# KiCad board SparkFun_GNSS_ZED-X20P_panelized.kicad_pcb (continued)
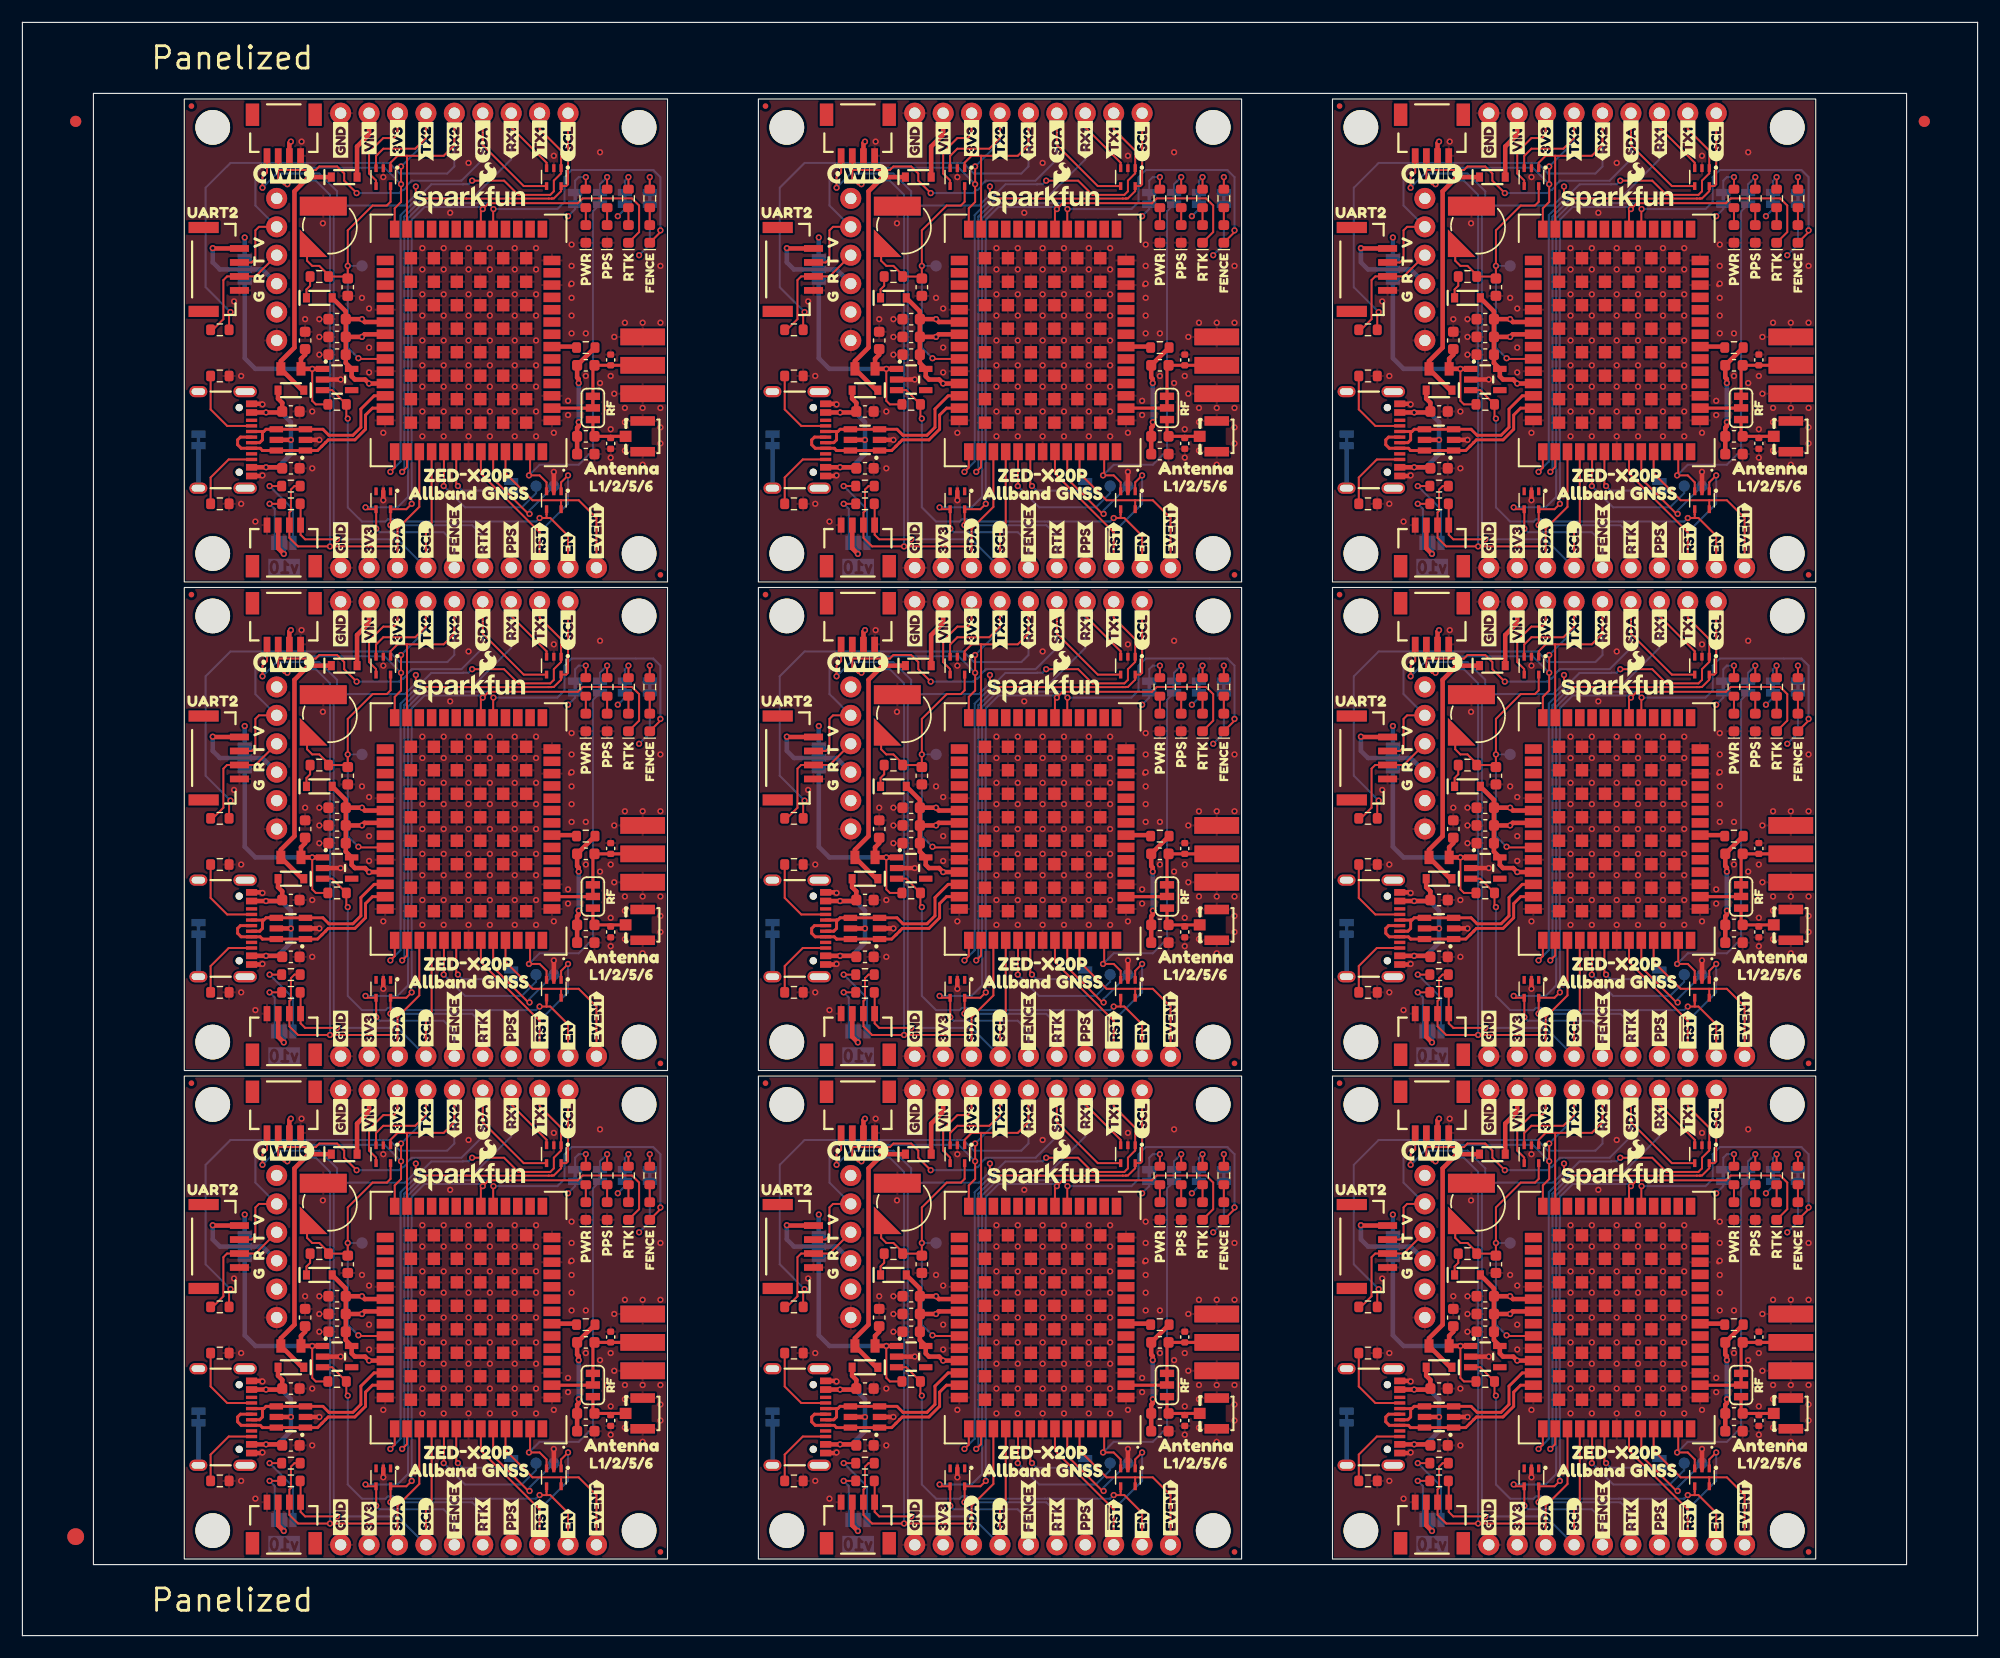
[diagram p0: board, top side]
## Placement (name value [footprint] x y rotation side) (continued)
kibuzzard-680A9725#5  G***  [kibuzzard-680A9725]  53.84 81.96 270 bottom
kibuzzard-680A9725#6  G***  [kibuzzard-680A9725]  105.14 81.96 270 bottom
kibuzzard-680A9725#7  G***  [kibuzzard-680A9725]  105.14 125.64 270 bottom
kibuzzard-680A9725#8  G***  [kibuzzard-680A9725]  156.44 125.64 270 bottom
kibuzzard-680A9725#9  G***  [kibuzzard-680A9725]  156.44 81.96 270 bottom
kibuzzard-6501FDDA  G***  [kibuzzard-6501FDDA]  27.81 78.47 270 bottom
kibuzzard-6501FDDA#2  G***  [kibuzzard-6501FDDA]  130.41 34.79 270 bottom
kibuzzard-6501FDDA#3  G***  [kibuzzard-6501FDDA]  27.81 122.15 270 bottom
kibuzzard-6501FDDA#4  G***  [kibuzzard-6501FDDA]  79.1 34.79 270 bottom
kibuzzard-6501FDDA#5  G***  [kibuzzard-6501FDDA]  79.1 78.47 270 bottom
kibuzzard-6501FDDA#6  G***  [kibuzzard-6501FDDA]  79.1 122.15 270 bottom
kibuzzard-6501FDDA#7  G***  [kibuzzard-6501FDDA]  130.41 78.47 270 bottom
kibuzzard-6501FDDA#8  G***  [kibuzzard-6501FDDA]  130.41 122.15 270 bottom
kibuzzard-6501FDDA#9  G***  [kibuzzard-6501FDDA]  27.81 34.79 270 bottom
kibuzzard-6797CE3B  G***  [kibuzzard-6797CE3B]  28.44 46.38 90 top
kibuzzard-6797CE3B#2  G***  [kibuzzard-6797CE3B]  28.44 90.06 90 top
kibuzzard-6797CE3B#3  G***  [kibuzzard-6797CE3B]  79.74 133.74 90 top
kibuzzard-6797CE3B#4  G***  [kibuzzard-6797CE3B]  131.04 90.06 90 top
kibuzzard-6797CE3B#5  G***  [kibuzzard-6797CE3B]  79.74 46.38 90 top
kibuzzard-6797CE3B#6  G***  [kibuzzard-6797CE3B]  131.04 133.74 90 top
kibuzzard-6797CE3B#7  G***  [kibuzzard-6797CE3B]  131.04 46.38 90 top
kibuzzard-6797CE3B#8  G***  [kibuzzard-6797CE3B]  28.44 133.74 90 top
kibuzzard-6797CE3B#9  G***  [kibuzzard-6797CE3B]  79.74 90.06 90 top
kibuzzard-6797CE4B  G***  [kibuzzard-6797CE4B]  38.6 46.22 90 top
kibuzzard-6797CE4B#2  G***  [kibuzzard-6797CE4B]  38.6 89.9 90 top
kibuzzard-6797CE4B#3  G***  [kibuzzard-6797CE4B]  141.2 133.58 90 top
kibuzzard-6797CE4B#4  G***  [kibuzzard-6797CE4B]  38.6 133.58 90 top
kibuzzard-6797CE4B#5  G***  [kibuzzard-6797CE4B]  89.9 89.9 90 top
kibuzzard-6797CE4B#6  G***  [kibuzzard-6797CE4B]  89.9 46.22 90 top
kibuzzard-6797CE4B#7  G***  [kibuzzard-6797CE4B]  141.2 89.9 90 top
kibuzzard-6797CE4B#8  G***  [kibuzzard-6797CE4B]  141.2 46.22 90 top
kibuzzard-6797CE4B#9  G***  [kibuzzard-6797CE4B]  89.9 133.58 90 top
kibuzzard-6797CE48  G***  [kibuzzard-6797CE48]  36.06 46.22 90 top
kibuzzard-6797CE48#2  G***  [kibuzzard-6797CE48]  36.06 133.58 90 top
kibuzzard-6797CE48#3  G***  [kibuzzard-6797CE48]  87.36 89.9 90 top
kibuzzard-6797CE48#4  G***  [kibuzzard-6797CE48]  36.06 89.9 90 top
kibuzzard-6797CE48#5  G***  [kibuzzard-6797CE48]  87.36 46.22 90 top
kibuzzard-6797CE48#6  G***  [kibuzzard-6797CE48]  138.66 89.9 90 top
kibuzzard-6797CE48#7  G***  [kibuzzard-6797CE48]  138.66 46.22 90 top
kibuzzard-6797CE48#8  G***  [kibuzzard-6797CE48]  87.36 133.58 90 top
kibuzzard-6797CE48#9  G***  [kibuzzard-6797CE48]  138.66 133.58 90 top
kibuzzard-6797CF40  G***  [kibuzzard-6797CF40]  21.14 78.47 90 top
kibuzzard-6797CF40#2  G***  [kibuzzard-6797CF40]  72.44 122.15 90 top
kibuzzard-6797CF40#3  G***  [kibuzzard-6797CF40]  21.14 122.15 90 top
kibuzzard-6797CF40#4  G***  [kibuzzard-6797CF40]  72.44 34.79 90 top
kibuzzard-6797CF40#5  G***  [kibuzzard-6797CF40]  72.44 78.47 90 top
kibuzzard-6797CF40#6  G***  [kibuzzard-6797CF40]  123.74 34.79 90 top
kibuzzard-6797CF40#7  G***  [kibuzzard-6797CF40]  123.74 78.47 90 top
kibuzzard-6797CF40#8  G***  [kibuzzard-6797CF40]  123.74 122.15 90 top
kibuzzard-6797CF40#9  G***  [kibuzzard-6797CF40]  21.14 34.79 90 top
kibuzzard-6797CFD5  G***  [kibuzzard-6797CFD5]  41.14 10.66 90 top
kibuzzard-6797CFD5#2  G***  [kibuzzard-6797CFD5]  41.14 54.34 90 top
kibuzzard-6797CFD5#3  G***  [kibuzzard-6797CFD5]  92.44 54.34 90 top
kibuzzard-6797CFD5#4  G***  [kibuzzard-6797CFD5]  41.14 98.02 90 top
kibuzzard-6797CFD5#5  G***  [kibuzzard-6797CFD5]  92.44 10.66 90 top
kibuzzard-6797CFD5#6  G***  [kibuzzard-6797CFD5]  92.44 98.02 90 top
kibuzzard-6797CFD5#7  G***  [kibuzzard-6797CFD5]  143.74 98.02 90 top
kibuzzard-6797CFD5#8  G***  [kibuzzard-6797CFD5]  143.74 10.66 90 top
kibuzzard-6797CFD5#9  G***  [kibuzzard-6797CFD5]  143.74 54.34 90 top
kibuzzard-6797CFD9  G***  [kibuzzard-6797CFD9]  43.68 10.66 90 top
kibuzzard-6797CFD9#2  G***  [kibuzzard-6797CFD9]  43.68 98.02 90 top
kibuzzard-6797CFD9#3  G***  [kibuzzard-6797CFD9]  94.98 98.02 90 top
kibuzzard-6797CFD9#4  G***  [kibuzzard-6797CFD9]  146.28 54.34 90 top
kibuzzard-6797CFD9#5  G***  [kibuzzard-6797CFD9]  146.28 10.66 90 top
kibuzzard-6797CFD9#6  G***  [kibuzzard-6797CFD9]  94.98 54.34 90 top
kibuzzard-6797CFD9#7  G***  [kibuzzard-6797CFD9]  43.68 54.34 90 top
kibuzzard-6797CFD9#8  G***  [kibuzzard-6797CFD9]  94.98 10.66 90 top
kibuzzard-6797CFD9#9  G***  [kibuzzard-6797CFD9]  146.28 98.02 90 top
kibuzzard-6797CFEB  G***  [kibuzzard-6797CFEB]  46.22 10.5 90 top
kibuzzard-6797CFEB#2  G***  [kibuzzard-6797CFEB]  46.22 54.18 90 top
kibuzzard-6797CFEB#3  G***  [kibuzzard-6797CFEB]  97.52 97.86 90 top
kibuzzard-6797CFEB#4  G***  [kibuzzard-6797CFEB]  46.22 97.86 90 top
kibuzzard-6797CFEB#5  G***  [kibuzzard-6797CFEB]  97.52 10.5 90 top
kibuzzard-6797CFEB#6  G***  [kibuzzard-6797CFEB]  97.52 54.18 90 top
kibuzzard-6797CFEB#7  G***  [kibuzzard-6797CFEB]  148.82 10.5 90 top
kibuzzard-6797CFEB#8  G***  [kibuzzard-6797CFEB]  148.82 54.18 90 top
kibuzzard-6797CFEB#9  G***  [kibuzzard-6797CFEB]  148.82 97.86 90 top
kibuzzard-6797D0AD  G***  [kibuzzard-6797D0AD]  28.44 46.38 270 bottom
kibuzzard-6797D0AD#2  G***  [kibuzzard-6797D0AD]  79.74 46.38 270 bottom
kibuzzard-6797D0AD#3  G***  [kibuzzard-6797D0AD]  79.74 133.74 270 bottom
kibuzzard-6797D0AD#4  G***  [kibuzzard-6797D0AD]  131.04 46.38 270 bottom
kibuzzard-6797D0AD#5  G***  [kibuzzard-6797D0AD]  28.44 133.74 270 bottom
kibuzzard-6797D0AD#6  G***  [kibuzzard-6797D0AD]  28.44 90.06 270 bottom
kibuzzard-6797D0AD#7  G***  [kibuzzard-6797D0AD]  79.74 90.06 270 bottom
kibuzzard-6797D0AD#8  G***  [kibuzzard-6797D0AD]  131.04 133.74 270 bottom
kibuzzard-6797D0AD#9  G***  [kibuzzard-6797D0AD]  131.04 90.06 270 bottom
kibuzzard-6797D0B5  G***  [kibuzzard-6797D0B5]  33.52 46.47 270 bottom
kibuzzard-6797D0B5#2  G***  [kibuzzard-6797D0B5]  84.82 90.15 270 bottom
kibuzzard-6797D0B5#3  G***  [kibuzzard-6797D0B5]  84.82 133.83 270 bottom
kibuzzard-6797D0B5#4  G***  [kibuzzard-6797D0B5]  84.82 46.47 270 bottom
kibuzzard-6797D0B5#5  G***  [kibuzzard-6797D0B5]  33.52 90.15 270 bottom
kibuzzard-6797D0B5#6  G***  [kibuzzard-6797D0B5]  136.12 133.83 270 bottom
kibuzzard-6797D0B5#7  G***  [kibuzzard-6797D0B5]  33.52 133.83 270 bottom
kibuzzard-6797D0B5#8  G***  [kibuzzard-6797D0B5]  136.12 90.15 270 bottom
kibuzzard-6797D0B5#9  G***  [kibuzzard-6797D0B5]  136.12 46.47 270 bottom
kibuzzard-6797D0B9  G***  [kibuzzard-6797D0B9]  36.06 46.22 270 bottom
kibuzzard-6797D0B9#2  G***  [kibuzzard-6797D0B9]  138.66 46.22 270 bottom
kibuzzard-6797D0B9#3  G***  [kibuzzard-6797D0B9]  138.66 133.58 270 bottom
kibuzzard-6797D0B9#4  G***  [kibuzzard-6797D0B9]  87.36 46.22 270 bottom
kibuzzard-6797D0B9#5  G***  [kibuzzard-6797D0B9]  36.06 89.9 270 bottom
kibuzzard-6797D0B9#6  G***  [kibuzzard-6797D0B9]  36.06 133.58 270 bottom
kibuzzard-6797D0B9#7  G***  [kibuzzard-6797D0B9]  87.36 89.9 270 bottom
kibuzzard-6797D0B9#8  G***  [kibuzzard-6797D0B9]  87.36 133.58 270 bottom
kibuzzard-6797D0B9#9  G***  [kibuzzard-6797D0B9]  138.66 89.9 270 bottom
kibuzzard-6797D0BE  G***  [kibuzzard-6797D0BE]  38.6 46.38 270 bottom
kibuzzard-6797D0BE#2  G***  [kibuzzard-6797D0BE]  38.6 90.06 270 bottom
kibuzzard-6797D0BE#3  G***  [kibuzzard-6797D0BE]  141.2 46.38 270 bottom
kibuzzard-6797D0BE#4  G***  [kibuzzard-6797D0BE]  141.2 90.06 270 bottom
kibuzzard-6797D0BE#5  G***  [kibuzzard-6797D0BE]  141.2 133.74 270 bottom
kibuzzard-6797D0BE#6  G***  [kibuzzard-6797D0BE]  38.6 133.74 270 bottom
kibuzzard-6797D0BE#7  G***  [kibuzzard-6797D0BE]  89.9 46.38 270 bottom
kibuzzard-6797D0BE#8  G***  [kibuzzard-6797D0BE]  89.9 90.06 270 bottom
kibuzzard-6797D0BE#9  G***  [kibuzzard-6797D0BE]  89.9 133.74 270 bottom
kibuzzard-6797D1E0  G***  [kibuzzard-6797D1E0]  143.74 90.38 270 bottom
kibuzzard-6797D1E0#2  G***  [kibuzzard-6797D1E0]  143.74 134.06 270 bottom
kibuzzard-6797D1E0#3  G***  [kibuzzard-6797D1E0]  143.74 46.7 270 bottom
kibuzzard-6797D1E0#4  G***  [kibuzzard-6797D1E0]  41.14 46.7 270 bottom
kibuzzard-6797D1E0#5  G***  [kibuzzard-6797D1E0]  41.14 90.38 270 bottom
kibuzzard-6797D1E0#6  G***  [kibuzzard-6797D1E0]  92.44 46.7 270 bottom
kibuzzard-6797D1E0#7  G***  [kibuzzard-6797D1E0]  41.14 134.06 270 bottom
kibuzzard-6797D1E0#8  G***  [kibuzzard-6797D1E0]  92.44 90.38 270 bottom
kibuzzard-6797D1E0#9  G***  [kibuzzard-6797D1E0]  92.44 134.06 270 bottom
kibuzzard-6797D04A  G***  [kibuzzard-6797D04A]  25.11 38.6 180 bottom
kibuzzard-6797D04A#2  G***  [kibuzzard-6797D04A]  76.41 38.6 180 bottom
kibuzzard-6797D04A#3  G***  [kibuzzard-6797D04A]  25.11 82.28 180 bottom
kibuzzard-6797D04A#4  G***  [kibuzzard-6797D04A]  25.11 125.96 180 bottom
kibuzzard-6797D04A#5  G***  [kibuzzard-6797D04A]  127.71 125.96 180 bottom
kibuzzard-6797D04A#6  G***  [kibuzzard-6797D04A]  127.71 82.28 180 bottom
kibuzzard-6797D04A#7  G***  [kibuzzard-6797D04A]  76.41 82.28 180 bottom
kibuzzard-6797D04A#8  G***  [kibuzzard-6797D04A]  76.41 125.96 180 bottom
kibuzzard-6797D04A#9  G***  [kibuzzard-6797D04A]  127.71 38.6 180 bottom
kibuzzard-6797D04F  G***  [kibuzzard-6797D04F]  25.11 36.06 180 bottom
kibuzzard-6797D04F#2  G***  [kibuzzard-6797D04F]  76.41 79.74 180 bottom
kibuzzard-6797D04F#3  G***  [kibuzzard-6797D04F]  127.71 36.06 180 bottom
kibuzzard-6797D04F#4  G***  [kibuzzard-6797D04F]  76.41 36.06 180 bottom
kibuzzard-6797D04F#5  G***  [kibuzzard-6797D04F]  127.71 123.42 180 bottom
kibuzzard-6797D04F#6  G***  [kibuzzard-6797D04F]  25.11 79.74 180 bottom
kibuzzard-6797D04F#7  G***  [kibuzzard-6797D04F]  25.11 123.42 180 bottom
kibuzzard-6797D04F#8  G***  [kibuzzard-6797D04F]  76.41 123.42 180 bottom
kibuzzard-6797D04F#9  G***  [kibuzzard-6797D04F]  127.71 79.74 180 bottom
kibuzzard-6797D06C  G***  [kibuzzard-6797D06C]  28.44 10.5 270 bottom
kibuzzard-6797D06C#2  G***  [kibuzzard-6797D06C]  28.44 54.18 270 bottom
kibuzzard-6797D06C#3  G***  [kibuzzard-6797D06C]  79.74 97.86 270 bottom
kibuzzard-6797D06C#4  G***  [kibuzzard-6797D06C]  131.04 54.18 270 bottom
kibuzzard-6797D06C#5  G***  [kibuzzard-6797D06C]  28.44 97.86 270 bottom
kibuzzard-6797D06C#6  G***  [kibuzzard-6797D06C]  79.74 10.5 270 bottom
kibuzzard-6797D06C#7  G***  [kibuzzard-6797D06C]  79.74 54.18 270 bottom
kibuzzard-6797D06C#8  G***  [kibuzzard-6797D06C]  131.04 10.5 270 bottom
kibuzzard-6797D06C#9  G***  [kibuzzard-6797D06C]  131.04 97.86 270 bottom
kibuzzard-6797D07B  G***  [kibuzzard-6797D07B]  33.52 10.66 270 bottom
kibuzzard-6797D07B#2  G***  [kibuzzard-6797D07B]  33.52 54.34 270 bottom
kibuzzard-6797D07B#3  G***  [kibuzzard-6797D07B]  84.82 54.34 270 bottom
kibuzzard-6797D07B#4  G***  [kibuzzard-6797D07B]  84.82 98.02 270 bottom
kibuzzard-6797D07B#5  G***  [kibuzzard-6797D07B]  33.52 98.02 270 bottom
kibuzzard-6797D07B#6  G***  [kibuzzard-6797D07B]  136.12 10.66 270 bottom
kibuzzard-6797D07B#7  G***  [kibuzzard-6797D07B]  84.82 10.66 270 bottom
kibuzzard-6797D07B#8  G***  [kibuzzard-6797D07B]  136.12 54.34 270 bottom
kibuzzard-6797D07B#9  G***  [kibuzzard-6797D07B]  136.12 98.02 270 bottom
kibuzzard-6797D08B  G***  [kibuzzard-6797D08B]  43.68 10.5 270 bottom
kibuzzard-6797D08B#2  G***  [kibuzzard-6797D08B]  43.68 97.86 270 bottom
kibuzzard-6797D08B#3  G***  [kibuzzard-6797D08B]  43.68 54.18 270 bottom
kibuzzard-6797D08B#4  G***  [kibuzzard-6797D08B]  94.98 54.18 270 bottom
kibuzzard-6797D08B#5  G***  [kibuzzard-6797D08B]  94.98 97.86 270 bottom
kibuzzard-6797D08B#6  G***  [kibuzzard-6797D08B]  146.28 10.5 270 bottom
kibuzzard-6797D08B#7  G***  [kibuzzard-6797D08B]  94.98 10.5 270 bottom
kibuzzard-6797D08B#8  G***  [kibuzzard-6797D08B]  146.28 54.18 270 bottom
kibuzzard-6797D08B#9  G***  [kibuzzard-6797D08B]  146.28 97.86 270 bottom
kibuzzard-6797D08F  G***  [kibuzzard-6797D08F]  97.52 10.66 270 bottom
kibuzzard-6797D08F#2  G***  [kibuzzard-6797D08F]  148.82 10.66 270 bottom
kibuzzard-6797D08F#3  G***  [kibuzzard-6797D08F]  46.22 98.02 270 bottom
kibuzzard-6797D08F#4  G***  [kibuzzard-6797D08F]  148.82 98.02 270 bottom
kibuzzard-6797D08F#5  G***  [kibuzzard-6797D08F]  97.52 98.02 270 bottom
kibuzzard-6797D08F#6  G***  [kibuzzard-6797D08F]  46.22 54.34 270 bottom
kibuzzard-6797D08F#7  G***  [kibuzzard-6797D08F]  97.52 54.34 270 bottom
kibuzzard-6797D08F#8  G***  [kibuzzard-6797D08F]  148.82 54.34 270 bottom
kibuzzard-6797D08F#9  G***  [kibuzzard-6797D08F]  46.22 10.66 270 bottom
kibuzzard-6797D21D  G***  [kibuzzard-6797D21D]  46.22 46.06 270 bottom
kibuzzard-6797D21D#2  G***  [kibuzzard-6797D21D]  148.82 89.74 270 bottom
kibuzzard-6797D21D#3  G***  [kibuzzard-6797D21D]  46.22 133.42 270 bottom
kibuzzard-6797D21D#4  G***  [kibuzzard-6797D21D]  46.22 89.74 270 bottom
kibuzzard-6797D21D#5  G***  [kibuzzard-6797D21D]  97.52 46.06 270 bottom
kibuzzard-6797D21D#6  G***  [kibuzzard-6797D21D]  97.52 89.74 270 bottom
kibuzzard-6797D21D#7  G***  [kibuzzard-6797D21D]  97.52 133.42 270 bottom
kibuzzard-6797D21D#8  G***  [kibuzzard-6797D21D]  148.82 46.06 270 bottom
kibuzzard-6797D21D#9  G***  [kibuzzard-6797D21D]  148.82 133.42 270 bottom
kibuzzard-6797D058  G***  [kibuzzard-6797D058]  24.95 28.44 180 bottom
kibuzzard-6797D058#2  G***  [kibuzzard-6797D058]  24.95 115.8 180 bottom
kibuzzard-6797D058#3  G***  [kibuzzard-6797D058]  24.95 72.12 180 bottom
kibuzzard-6797D058#4  G***  [kibuzzard-6797D058]  76.25 72.12 180 bottom
kibuzzard-6797D058#5  G***  [kibuzzard-6797D058]  127.55 115.8 180 bottom
kibuzzard-6797D058#6  G***  [kibuzzard-6797D058]  76.25 115.8 180 bottom
kibuzzard-6797D058#7  G***  [kibuzzard-6797D058]  127.55 28.44 180 bottom
kibuzzard-6797D058#8  G***  [kibuzzard-6797D058]  127.55 72.12 180 bottom
kibuzzard-6797D058#9  G***  [kibuzzard-6797D058]  76.25 28.44 180 bottom
kibuzzard-6797D071  G***  [kibuzzard-6797D071]  133.58 10.34 270 bottom
kibuzzard-6797D071#2  G***  [kibuzzard-6797D071]  82.28 10.34 270 bottom
kibuzzard-6797D071#3  G***  [kibuzzard-6797D071]  82.28 54.02 270 bottom
kibuzzard-6797D071#4  G***  [kibuzzard-6797D071]  82.28 97.7 270 bottom
kibuzzard-6797D071#5  G***  [kibuzzard-6797D071]  133.58 54.02 270 bottom
kibuzzard-6797D071#6  G***  [kibuzzard-6797D071]  133.58 97.7 270 bottom
kibuzzard-6797D071#7  G***  [kibuzzard-6797D071]  30.98 10.34 270 bottom
kibuzzard-6797D071#8  G***  [kibuzzard-6797D071]  30.98 54.02 270 bottom
kibuzzard-6797D071#9  G***  [kibuzzard-6797D071]  30.98 97.7 270 bottom
kibuzzard-6797D081  G***  [kibuzzard-6797D081]  36.06 97.86 270 bottom
kibuzzard-6797D081#2  G***  [kibuzzard-6797D081]  87.36 54.18 270 bottom
kibuzzard-6797D081#3  G***  [kibuzzard-6797D081]  36.06 54.18 270 bottom
kibuzzard-6797D081#4  G***  [kibuzzard-6797D081]  87.36 10.5 270 bottom
kibuzzard-6797D081#5  G***  [kibuzzard-6797D081]  138.66 97.86 270 bottom
kibuzzard-6797D081#6  G***  [kibuzzard-6797D081]  87.36 97.86 270 bottom
kibuzzard-6797D081#7  G***  [kibuzzard-6797D081]  138.66 10.5 270 bottom
kibuzzard-6797D081#8  G***  [kibuzzard-6797D081]  138.66 54.18 270 bottom
kibuzzard-6797D081#9  G***  [kibuzzard-6797D081]  36.06 10.5 270 bottom
kibuzzard-6797D086  G***  [kibuzzard-6797D086]  41.14 10.5 270 bottom
kibuzzard-6797D086#2  G***  [kibuzzard-6797D086]  92.44 97.86 270 bottom
kibuzzard-6797D086#3  G***  [kibuzzard-6797D086]  41.14 97.86 270 bottom
kibuzzard-6797D086#4  G***  [kibuzzard-6797D086]  41.14 54.18 270 bottom
kibuzzard-6797D086#5  G***  [kibuzzard-6797D086]  92.44 10.5 270 bottom
kibuzzard-6797D086#6  G***  [kibuzzard-6797D086]  92.44 54.18 270 bottom
kibuzzard-6797D086#7  G***  [kibuzzard-6797D086]  143.74 10.5 270 bottom
kibuzzard-6797D086#8  G***  [kibuzzard-6797D086]  143.74 54.18 270 bottom
kibuzzard-6797D086#9  G***  [kibuzzard-6797D086]  143.74 97.86 270 bottom
kibuzzard-6797D093  G***  [kibuzzard-6797D093]  100.06 11.77 270 bottom
kibuzzard-6797D093#2  G***  [kibuzzard-6797D093]  48.76 99.13 270 bottom
kibuzzard-6797D093#3  G***  [kibuzzard-6797D093]  48.76 55.45 270 bottom
kibuzzard-6797D093#4  G***  [kibuzzard-6797D093]  151.36 55.45 270 bottom
kibuzzard-6797D093#5  G***  [kibuzzard-6797D093]  100.06 55.45 270 bottom
kibuzzard-6797D093#6  G***  [kibuzzard-6797D093]  151.36 11.77 270 bottom
kibuzzard-6797D093#7  G***  [kibuzzard-6797D093]  100.06 99.13 270 bottom
kibuzzard-6797D093#8  G***  [kibuzzard-6797D093]  151.36 99.13 270 bottom
kibuzzard-6797D093#9  G***  [kibuzzard-6797D093]  48.76 11.77 270 bottom
kibuzzard-6797D096  G***  [kibuzzard-6797D096]  51.3 11.45 270 bottom
kibuzzard-6797D096#2  G***  [kibuzzard-6797D096]  153.9 98.81 270 bottom
kibuzzard-6797D096#3  G***  [kibuzzard-6797D096]  102.6 11.45 270 bottom
kibuzzard-6797D096#4  G***  [kibuzzard-6797D096]  51.3 55.13 270 bottom
kibuzzard-6797D096#5  G***  [kibuzzard-6797D096]  102.6 55.13 270 bottom
kibuzzard-6797D096#6  G***  [kibuzzard-6797D096]  153.9 55.13 270 bottom
kibuzzard-6797D096#7  G***  [kibuzzard-6797D096]  51.3 98.81 270 bottom
kibuzzard-6797D096#8  G***  [kibuzzard-6797D096]  153.9 11.45 270 bottom
kibuzzard-6797D096#9  G***  [kibuzzard-6797D096]  102.6 98.81 270 bottom
kibuzzard-6797D214  G***  [kibuzzard-6797D214]  94.98 46.06 270 bottom
kibuzzard-6797D214#2  G***  [kibuzzard-6797D214]  94.98 89.74 270 bottom
kibuzzard-6797D214#3  G***  [kibuzzard-6797D214]  43.68 133.42 270 bottom
kibuzzard-6797D214#4  G***  [kibuzzard-6797D214]  43.68 89.74 270 bottom
kibuzzard-6797D214#5  G***  [kibuzzard-6797D214]  94.98 133.42 270 bottom
kibuzzard-6797D214#6  G***  [kibuzzard-6797D214]  146.28 46.06 270 bottom
kibuzzard-6797D214#7  G***  [kibuzzard-6797D214]  146.28 89.74 270 bottom
kibuzzard-6797D214#8  G***  [kibuzzard-6797D214]  146.28 133.42 270 bottom
kibuzzard-6797D214#9  G***  [kibuzzard-6797D214]  43.68 46.06 270 bottom
kibuzzard-6797D229  G***  [kibuzzard-6797D229]  48.76 46.54 270 bottom
kibuzzard-6797D229#2  G***  [kibuzzard-6797D229]  100.06 133.9 270 bottom
kibuzzard-6797D229#3  G***  [kibuzzard-6797D229]  48.76 90.22 270 bottom
kibuzzard-6797D229#4  G***  [kibuzzard-6797D229]  48.76 133.9 270 bottom
kibuzzard-6797D229#5  G***  [kibuzzard-6797D229]  100.06 90.22 270 bottom
kibuzzard-6797D229#6  G***  [kibuzzard-6797D229]  100.06 46.54 270 bottom
kibuzzard-6797D229#7  G***  [kibuzzard-6797D229]  151.36 46.54 270 bottom
kibuzzard-6797D229#8  G***  [kibuzzard-6797D229]  151.36 90.22 270 bottom
kibuzzard-6797D229#9  G***  [kibuzzard-6797D229]  151.36 133.9 270 bottom
L1  47nH  [C_0603_1608Metric]  50.35 26.22 180 top
L1#2  47nH  [C_0603_1608Metric]  101.65 26.22 180 top
L1#3  47nH  [C_0603_1608Metric]  50.35 69.9 180 top
L1#4  47nH  [C_0603_1608Metric]  50.35 113.58 180 top
L1#5  47nH  [C_0603_1608Metric]  152.95 26.22 180 top
L1#6  47nH  [C_0603_1608Metric]  101.65 69.9 180 top
L1#7  47nH  [C_0603_1608Metric]  152.95 69.9 180 top
L1#8  47nH  [C_0603_1608Metric]  152.95 113.58 180 top
L1#9  47nH  [C_0603_1608Metric]  101.65 113.58 180 top
L2  47nH  [C_0603_1608Metric]  50.35 19.87 180 top
L2#2  47nH  [C_0603_1608Metric]  50.35 107.23 180 top
L2#3  47nH  [C_0603_1608Metric]  50.35 63.55 180 top
L2#4  47nH  [C_0603_1608Metric]  152.95 19.87 180 top
L2#5  47nH  [C_0603_1608Metric]  152.95 107.23 180 top
L2#6  47nH  [C_0603_1608Metric]  101.65 63.55 180 top
L2#7  47nH  [C_0603_1608Metric]  101.65 19.87 180 top
L2#8  47nH  [C_0603_1608Metric]  101.65 107.23 180 top
L2#9  47nH  [C_0603_1608Metric]  152.95 63.55 180 top
NOREF  -  [Fiducial_1mm_Mask3mm]  4.76 135.39 0 top
NOREF#2  -  [Fiducial_1mm_Mask3mm]  169.96 135.39 0 top
NOREF#3  -  [Fiducial_1.5mm_Mask3mm]  4.76 8.85 0 top
NOREF#4  -  [Fiducial_1mm_Mask3mm]  169.96 135.39 180 bottom
NOREF#5  -  [Fiducial_1.5mm_Mask3mm]  4.76 8.85 180 bottom
NOREF#6  -  [Fiducial_1mm_Mask3mm]  4.76 135.39 180 bottom
R1  5.1k  [R_0603_1608Metric]  68.94 13.84 180 top
R1#2  5.1k  [R_0603_1608Metric]  17.65 57.52 180 top
R1#3  5.1k  [R_0603_1608Metric]  17.65 101.2 180 top
R1#4  5.1k  [R_0603_1608Metric]  120.25 101.2 180 top
R1#5  5.1k  [R_0603_1608Metric]  68.94 101.2 180 top
R1#6  5.1k  [R_0603_1608Metric]  68.94 57.52 180 top
R1#7  5.1k  [R_0603_1608Metric]  120.25 13.84 180 top
R1#8  5.1k  [R_0603_1608Metric]  120.25 57.52 180 top
R1#9  5.1k  [R_0603_1608Metric]  17.65 13.84 180 top
R2  5.1k  [R_0603_1608Metric]  120.25 68.94 180 top
R2#2  5.1k  [R_0603_1608Metric]  17.65 25.27 180 top
R2#3  5.1k  [R_0603_1608Metric]  120.25 25.27 180 top
R2#4  5.1k  [R_0603_1608Metric]  68.94 112.62 180 top
R2#5  5.1k  [R_0603_1608Metric]  120.25 112.62 180 top
R2#6  5.1k  [R_0603_1608Metric]  68.94 25.27 180 top
R2#7  5.1k  [R_0603_1608Metric]  17.65 112.62 180 top
R2#8  5.1k  [R_0603_1608Metric]  68.94 68.94 180 top
R2#9  5.1k  [R_0603_1608Metric]  17.65 68.94 180 top
R3  1k  [R_0603_1608Metric]  54.16 84.82 90 top
R3#2  1k  [R_0603_1608Metric]  105.46 41.14 90 top
R3#3  1k  [R_0603_1608Metric]  54.16 128.5 90 top
R3#4  1k  [R_0603_1608Metric]  156.76 84.82 90 top
R3#5  1k  [R_0603_1608Metric]  105.46 128.5 90 top
R3#6  1k  [R_0603_1608Metric]  156.76 128.5 90 top
R3#7  1k  [R_0603_1608Metric]  105.46 84.82 90 top
R3#8  1k  [R_0603_1608Metric]  156.76 41.14 90 top
R3#9  1k  [R_0603_1608Metric]  54.16 41.14 90 top
R4  4.7k  [R_0603_1608Metric]  50.35 41.14 90 top
R4#2  4.7k  [R_0603_1608Metric]  101.65 41.14 90 top
R4#3  4.7k  [R_0603_1608Metric]  152.95 41.14 90 top
R4#4  4.7k  [R_0603_1608Metric]  50.35 84.82 90 top
R4#5  4.7k  [R_0603_1608Metric]  50.35 128.5 90 top
R4#6  4.7k  [R_0603_1608Metric]  101.65 84.82 90 top
R4#7  4.7k  [R_0603_1608Metric]  101.65 128.5 90 top
R4#8  4.7k  [R_0603_1608Metric]  152.95 128.5 90 top
R4#9  4.7k  [R_0603_1608Metric]  152.95 84.82 90 top
R5  2.2k  [R_0603_1608Metric]  52.25 128.5 90 top
R5#2  2.2k  [R_0603_1608Metric]  52.25 41.14 90 top
R5#3  2.2k  [R_0603_1608Metric]  103.55 128.5 90 top
R5#4  2.2k  [R_0603_1608Metric]  52.25 84.82 90 top
R5#5  2.2k  [R_0603_1608Metric]  103.55 41.14 90 top
R5#6  2.2k  [R_0603_1608Metric]  103.55 84.82 90 top
R5#7  2.2k  [R_0603_1608Metric]  154.85 128.5 90 top
R5#8  2.2k  [R_0603_1608Metric]  154.85 41.14 90 top
R5#9  2.2k  [R_0603_1608Metric]  154.85 84.82 90 top
R6  10  [R_0603_1608Metric]  50.35 27.81 0 top
R6#2  10  [R_0603_1608Metric]  101.65 115.17 0 top
R6#3  10  [R_0603_1608Metric]  50.35 71.48 0 top
R6#4  10  [R_0603_1608Metric]  50.35 115.17 0 top
R6#5  10  [R_0603_1608Metric]  101.65 27.81 0 top
R6#6  10  [R_0603_1608Metric]  101.65 71.48 0 top
R6#7  10  [R_0603_1608Metric]  152.95 115.17 0 top
R6#8  10  [R_0603_1608Metric]  152.95 27.81 0 top
R6#9  10  [R_0603_1608Metric]  152.95 71.48 0 top
R7  1k  [R_0603_1608Metric]  26.53 34.16 180 top
R7#2  1k  [R_0603_1608Metric]  26.53 77.84 180 top
R7#3  1k  [R_0603_1608Metric]  129.13 121.52 180 top
R7#4  1k  [R_0603_1608Metric]  129.13 77.84 180 top
R7#5  1k  [R_0603_1608Metric]  77.84 34.16 180 top
R7#6  1k  [R_0603_1608Metric]  26.53 121.52 180 top
R7#7  1k  [R_0603_1608Metric]  77.84 77.84 180 top
R7#8  1k  [R_0603_1608Metric]  77.84 121.52 180 top
R7#9  1k  [R_0603_1608Metric]  129.13 34.16 180 top
R8  1k  [R_0603_1608Metric]  17.65 116.75 0 top
R8#2  1k  [R_0603_1608Metric]  17.65 73.07 0 top
R8#3  1k  [R_0603_1608Metric]  120.25 73.07 0 top
R8#4  1k  [R_0603_1608Metric]  68.94 29.39 0 top
R8#5  1k  [R_0603_1608Metric]  68.94 116.75 0 top
R8#6  1k  [R_0603_1608Metric]  120.25 29.39 0 top
R8#7  1k  [R_0603_1608Metric]  120.25 116.75 0 top
R8#8  1k  [R_0603_1608Metric]  68.94 73.07 0 top
R8#9  1k  [R_0603_1608Metric]  17.65 29.39 0 top
R9  100k  [R_0603_1608Metric]  28.12 22.73 180 top
R9#2  100k  [R_0603_1608Metric]  79.42 66.41 180 top
R9#3  100k  [R_0603_1608Metric]  28.12 66.41 180 top
R9#4  100k  [R_0603_1608Metric]  28.12 110.09 180 top
R9#5  100k  [R_0603_1608Metric]  79.42 22.73 180 top
R9#6  100k  [R_0603_1608Metric]  79.42 110.09 180 top
R9#7  100k  [R_0603_1608Metric]  130.72 66.41 180 top
R9#8  100k  [R_0603_1608Metric]  130.72 22.73 180 top
R9#9  100k  [R_0603_1608Metric]  130.72 110.09 180 top
R11  2.2k  [R_0603_1608Metric]  56.06 41.14 90 top
R11#2  2.2k  [R_0603_1608Metric]  56.06 84.82 90 top
R11#3  2.2k  [R_0603_1608Metric]  107.36 84.82 90 top
R11#4  2.2k  [R_0603_1608Metric]  158.66 41.14 90 top
R11#5  2.2k  [R_0603_1608Metric]  56.06 128.5 90 top
R11#6  2.2k  [R_0603_1608Metric]  107.36 128.5 90 top
R11#7  2.2k  [R_0603_1608Metric]  158.66 128.5 90 top
R11#8  2.2k  [R_0603_1608Metric]  107.36 41.14 90 top
R11#9  2.2k  [R_0603_1608Metric]  158.66 84.82 90 top
R12  2.2k  [R_0603_1608Metric]  24 13.84 0 top